# Allegro board Try it by yourself - iMX6Rex module - DIFF Pair activities.brd (continued)
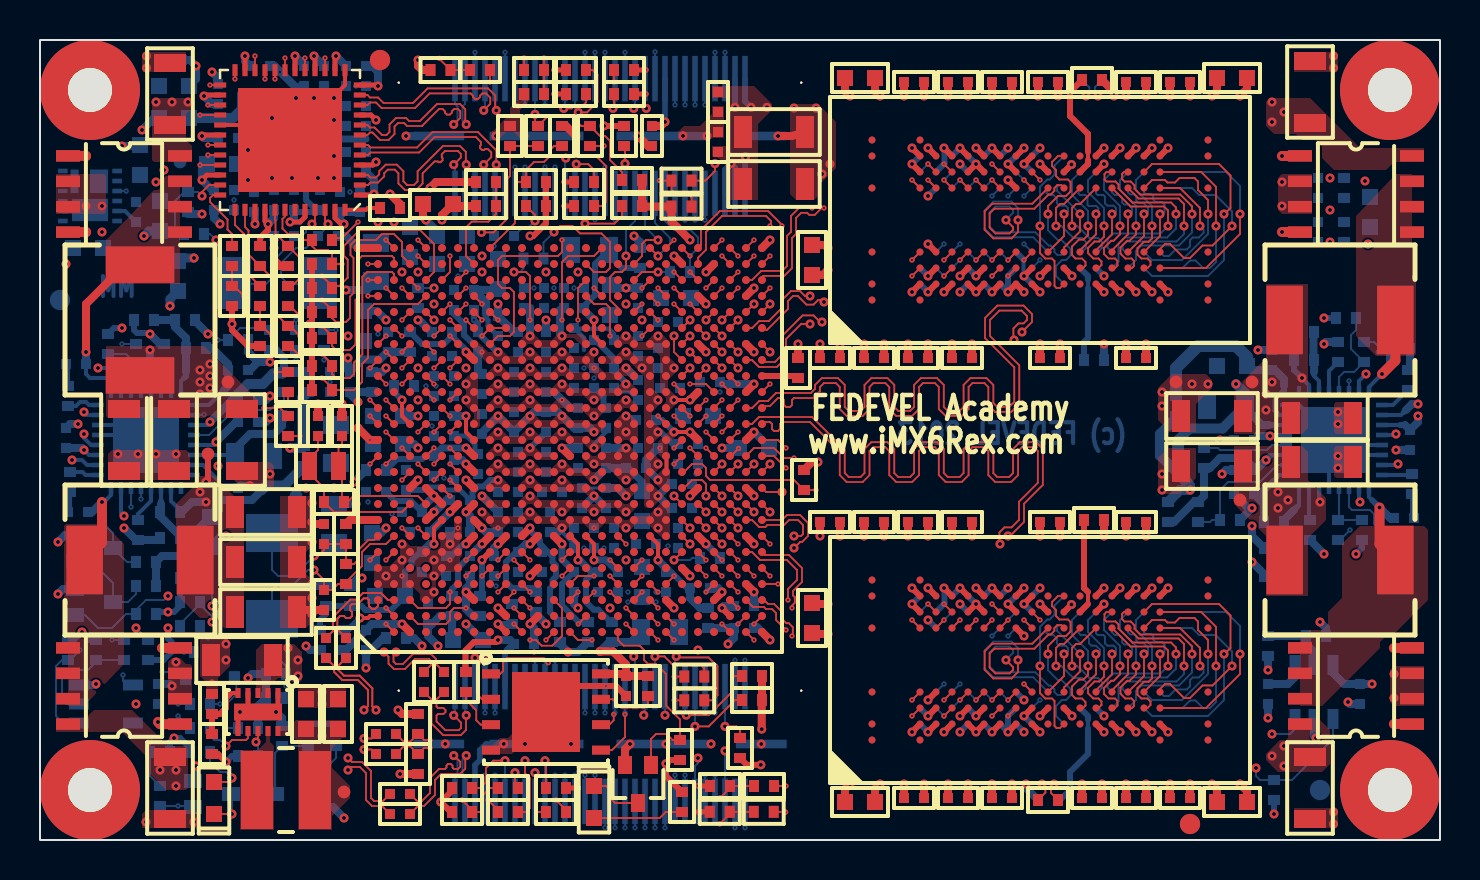
[diagram p0: board, top side]
## Nets (continued)
RGMII_TXD0: U1.C22 U8.19
RGMII_TXD1: U1.F20 U8.20
RGMII_TXD2: U1.E21 U8.21
RGMII_TXD3: U1.A24 U8.22
RGMII_TXEN: U1.C23 U8.25
RSTINN: J1.8 R68.1 U7.1
RSTOUTN: J1.7 R51.2 R70.2
RSTOUTN_R: R49.1 R51.1 U1.H19
RTC_XTALI: C85.1 R54.1 U1.D9 Y2.1
RTC_XTALO: C86.1 R54.2 U1.C9 Y2.2
SATA_C_RX_N: C69.1 U1.A14
SATA_C_RX_P: C70.1 U1.B14
SATA_C_TX_N: C71.1 U1.B12
SATA_C_TX_P: C72.1 U1.A12
SATA_REXT: R20.2 U1.C14
SATA_RX_N: C69.2 J2.58
SATA_RX_P: C70.2 J2.60
SATA_TX_N: C71.2 J2.57
SATA_TX_P: C72.2 J2.59
SD2_ACT: J2.11 U1.T3
SD2_CD: J2.38 R42.1 U1.F16
SD2_CLK: J2.36 R66.2
SD2_CLK_R: R66.1 U1.C21
SD2_CMD: J2.21 R41.1 R52.2
SD2_CMD_R: R52.1 U1.F19
SD2_DATA0: J2.26 U1.A22
SD2_DATA1: J2.23 U1.E20
SD2_DATA2: J2.28 U1.A23
SD2_DATA3: J2.25 U1.B22
SD2_DATA4: J2.30 U1.A19
SD2_DATA5: J2.27 U1.B18
SD2_DATA6: J2.32 U1.E17
SD2_DATA7: J2.29 U1.C18
SD2_WP: J2.34 R43.1 U1.D17
SD3_CD: J1.34 R39.1 U1.A18
SD3_CLK: J1.27 R50.2
SD3_CLK_R: R50.1 U1.D14
SD3_CMD: J1.33 R1.2 R38.1
SD3_CMD_R: R1.1 U1.B13
SD3_DATA0: J1.29 U1.E14
SD3_DATA1: J1.30 U1.F14
SD3_DATA2: J1.31 U1.A15
SD3_DATA3: J1.32 U1.B15
SD3_WP: J1.25 R40.1 U1.C17
SENSE_1V5: R59.1 R67.2 U6.5
SW_3V0_SNVS: L3.1 U12.9
SW_EP: U9.3 U9.4 U9.5 U9.6 U9.14
TAMPER: R55.1 U1.E11
TEST_MODE: R56.2 U1.E12
TRD0_N: J1.57 U8.3
TRD0_P: J1.59 U8.2
TRD1_N: J1.51 U8.6
TRD1_P: J1.53 U8.5
TRD2_N: J1.58 U8.8
TRD2_P: J1.60 U8.7
TRD3_N: J1.52 U8.11
TRD3_P: J1.54 U8.10
UART1_CTS: J1.11 U1.G21
UART1_DCD: J1.16 U1.D25
UART1_DSR: J1.9 U1.G22
UART1_DTR: J1.15 U1.F22
UART1_RI: J1.10 U1.F23
UART1_RTS: J1.13 U1.G20
UART1_RXD: J1.14 U1.M3
UART1_TXD: J1.12 U1.M1
UART2_CTS: J2.31 U1.B20
UART2_RTS: J2.33 U1.C19
UART2_RXD: J2.35 U1.E18
UART2_TXD: J2.37 U1.D19
UGATE1_2V5: Q6.1 U13.15
UGATE1_3V3: Q3.1 U11.15
UGATE2_1V5: Q7.1 U13.26
UGATE2_1V375: Q4.1 U11.26
USB0_ID: J1.20 U1.T4
USB0_N: J1.22 U1.B6
USB0_P: J1.24 U1.A6
USB0_PWR_EN: J1.26 U1.E23
USB1_N: J2.40 U1.F10
USB1_P: J2.42 U1.E10
USB1_PWR_EN: J2.44 U1.H21
USB_OC: J1.28 R100.1 U1.H20 U1.J20
USER_LED: Q2.1 R115.1 U1.T1
WD_OUT: R71.1 U1.R22
WD_OUT_R: R69.1 R71.2 U7.2
ZQPAD: R10.1 U1.AE17

Pads without a net: FID1 1; FID2 1; FID3 1; FID4 1; J1 49 65 66; J2 65 66; U1 A9 A10 A11 A16 A20 A21 AA1 AA2 AA3 AA4 AA11 AB1 AB2 AB17 AD17 B8 B9 B10 B11 B16 B17 B19 B21 C5 C8 C13 C15 C16 C20 C25 D1 D2 D4 D5 D13 D15 D18 D20 E1 E2 E3 E4 E13 E16 E19 E22 E24 E25 F1 F2 F3 F4 F13 F15 F17 F24 F25 G1 G2 G4 G23 G25 H1 H2 H3 H4 H22 H23 H24 J19 J21 J22 J23 J24 J25 K20 K21 K22 K23 K24 K25 L1 L3 L4 L6 L20 L21 L22 L23 L24 L25 M2 M4 M5 M6 M20 M21 M22 M23 M24 M25 N2 N19 N20 N21 N22 N23 N24 N25 P1 P4 P5 P6 P20 P21 P25 R1 R2 R3 R4 R5 R6 R7 R20 R21 R23 R24 T2 T6 T20 T22 T23 T24 T25 U6 U7 U20 U22 U25 V5 V6 V24 W5 W6 W20 W21 W23 W24 Y1 Y2 Y3 Y4; U2 J1 J9 L1 L9 MECH01 MECH02 MECH03 MECH04 MECH05 MECH06 MECH07 MECH08 MECH09 MECH10 MECH11 MECH12 MECH13 MECH14 MECH15 MECH16; U3 J1 J9 L1 L9 MECH01 MECH02 MECH03 MECH04 MECH05 MECH06 MECH07 MECH08 MECH09 MECH10 MECH11 MECH12 MECH13 MECH14 MECH15 MECH16; U4 J1 J9 L1 L9 MECH01 MECH02 MECH03 MECH04 MECH05 MECH06 MECH07 MECH08 MECH09 MECH10 MECH11 MECH12 MECH13 MECH14 MECH15 MECH16; U5 J1 J9 L1 L9 MECH01 MECH02 MECH03 MECH04 MECH05 MECH06 MECH07 MECH08 MECH09 MECH10 MECH11 MECH12 MECH13 MECH14 MECH15 MECH16; U8 43; U11 9; U13 9

## Via types
v1: diameter 0.45, hole 0.2, TOP to BOTTOM, 761 vias
v2: diameter 0.27, hole 0.1, TOP to L2, 305 vias
v3: diameter 0.27, hole 0.1, L2 to L3, 290 vias
v4: diameter 0.45, hole 0.2, L3 to L10, 197 vias
v5: diameter 0.27, hole 0.1, L10 to L11, 142 vias
v6: diameter 0.27, hole 0.1, L11 to BOTTOM, 185 vias

## Routing (per net, layer and track width the routed paths; a pad name or vN(x,y) marks a point on that pad's centre or on a via; arc(x,y) is an arc through that point)
+1V1_NVCC_PLL_OUT: length 10.5
  TOP w0.2: v1(19.7,14.8) 19.7,15.6 U1.E8
  BOTTOM w0.3: 19.05,14.35 C150.1 19,14.4 18.57,13.98 18.57,13.74 18.25,13.41 C151.1 17.55,11.5 16.27,11.5 16.07,11.7 R105.1 R79.2 14.3,11.3 14,11 R77.2
  BOTTOM w0.4: C150.1 19.5,14.8 v1(19.7,14.8)
+1V1_VDDSOC_CAP: length 11.6
  TOP w0.4: v1(26.1,19.6) U1.N12
  BOTTOM w0.15: C116.1 C115.1 ; C113.1 28.9,22.4 29.47,22.4 29.87,22 C114.1
  BOTTOM w0.4: v1(26.1,19.6) C138.1 ; FB1.1 20.6,10.05 R13.1 20,11.2 19.6,10.8 C78.1 19.4,10.2 v1(19.9,9.7) ; C115.1 U1.T10 v1(29.3,17.2) ; R18.1 C246.1 15.5,22.3 v1(15.9,21.9) ; v1(25.3,10.8) 24.8,11.3 R23.1
  vias: v1(29.3,21.2) v1(29.3,20.4)
+1V2_ETH: length 6.2
  BOTTOM w0.4: R105.2 15.9,13.1 v1(16.1,13.1) ; 10.25,36.75 10.8,36.2 10.8,35.8 11.1,35.5 FB5.1
  BOTTOM w0.5: FB4.1 10.25,36.7 9.65,36.1 FB3.1 7.35,36.1
  vias: v1(5.8,32.9) v1(6.2,33.5)
+1V2_ETH_AVDDL: length 7.5
  TOP w0.25: U8.9 16.55,36.25 v1(16.8,36) ; v1(16.8,33.9) 16.65,33.75 U8.4
  BOTTOM w0.3: C186.1 13.95,35.4 14.3,35.05
  BOTTOM w0.35: 16.3,35.05 14.3,35.05
  BOTTOM w0.4: FB4.2 12.35,36.4 13.5,36.4 13.9,36 13.9,35.4
+1V2_ETH_AVDDL_PLL: length 8.1
  TOP w0.25: v1(12.5,30.9) 13,30.9 13.25,31.15 U8.44
  BOTTOM w0.3: C192.1 14,31.4 13.9,31.4 ; 13.9,31.4 13.3,32 13.3,33.07 12.37,34 C191.1 ; 13.9,31.4 12.7,31.4
  BOTTOM w0.4: 12.45,33.9 12.35,33.9 ; 12.35,33.9 C191.1 ; 12.35,33.9 11.3,33.9 FB5.2 ; v1(12.5,30.9) 12.7,31.1 C193.1
+1V2_ETH_DVDDL: length 12.3
  TOP w0.25: v1(14.8,39.2) 14.75,39.15 U8.14 ; U8.23 v1(10.25,39.2) ; U8.18 v1(12.75,39.2) ; U8.30 8.25,35.25 8.1,35.1 v1(8.1,35.2) ; U8.26 8.2,37.25 v1(8.2,37.2) ; v1(10.75,30.8) U8.39
  BOTTOM w0.4: v1(12.75,39.2) 13.2,38.75 C248.1 ; v1(5.1,35.5) 5.7,36.1 FB3.2 ; v1(14.8,39.2) C185.1 ; v1(10.75,30.8) 10.75,31.35 C182.1 ; C183.1 8.2,35.1 v1(8.1,35.2) ; C184.1 8.6,36.8 v1(8.2,37.2) ; v1(10.25,39.2) 10.25,38.95 C249.1 ; 7.35,37.6 C180.1 7.8,38.05 v1(7.8,38.7) 7.5,39 C181.1
+1V2_VDD_ARM_CAP: length 7.2
  BOTTOM w0.2: C97.1 28.3,20.4 27.7,19.8 v1(27.7,19.6)
  BOTTOM w0.25: C103.1 21.75,19.45 21.75,19.79 21.34,20.2 C98.1
  BOTTOM w0.35: C102.1 29.41,18.6 30.1,17.91 C106.1
  BOTTOM w0.4: C102.1 C105.1 v1(27.7,18) ; v1(18.9,19.6) 18.7,19.8 C101.1
  vias: v1(22.9,20.4) v1(22.9,18.8) v1(24.5,20.4) v1(24.5,18.8) v1(26.1,20.4) v1(26.1,18.8)
+1V5_DDR: length 82.2
  TOP w0.3: v1(48.4,33) U4.G7 ; U4.K8 v1(51.57,33.77) ; U2.N9 v1(54,12.6) ; v1(43.6,5.4) U2.A1 ; v1(46,12.6) U2.D9 ; v1(44.4,6.2) U2.B2 ; v1(49.2,33.8) U4.H9 ; U4.K2 v1(51.6,28.2) ; v1(49.2,6.2) U2.H2 ; U4.R1 v1(55.6,27.4) ; U2.G7 v1(49.2,10.2) ; U2.R9 v1(55.6,12.6) ; U4.A8 v1(43.6,33.8) ; U2.K2 v1(51.6,6.2) ; v1(49.2,28.2) U4.H2 ; v1(47.6,27.4) U4.F1 ; v1(46,6.2) U2.D2 ; v1(43.6,11.8) U2.A8 ; U4.N9 v1(54,34.6) ; v1(46.8,34.6) U4.E9 ; v1(46,28.2) U4.D2 ; v1(45.2,5.4) U2.C1 ; U2.K8 v1(51.57,11.77) ; v1(45.2,34.6) U4.C9 ; v1(43.6,27.4) U4.A1 ; U2.R1 v1(55.6,5.4) ; v1(49.2,11.8) U2.H9 ; U4.R9 v1(55.6,34.6) ; U2.N1 v1(54,5.4) ; v1(44.4,28.2) U4.B2 ; v1(46,34.6) U4.D9 ; v1(45.2,27.4) U4.C1 ; v1(46.8,12.6) U2.E9 ; v1(47.6,5.4) U2.F1 ; v1(45.2,12.6) U2.C9 ; U4.N1 v1(54,27.4)
  TOP w0.4: C32.1 v1(54.3,24.8) ; C14.1 41.75,2.55 v1(42,2.8) ; C30.1 v1(54.3,2.8) ; C39.1 v1(40,24.8) ; C13.1 58.85,2.55 v1(58.6,2.8) ; v1(39.4,28.5) 39.15,28.25 C17.1 ; v1(46.6,15.2) C23.1 ; v1(44.4,15.2) C25.1 ; v1(54.3,37.2) C38.1 ; C12.1 38.65,11.8 v1(39.4,11.8) ; v1(56.5,37.2) C35.1 ; v1(40,15.2) C26.1 ; C31.1 v1(44.4,24.8) ; C28.1 v1(46.4,2.8) ; C33.1 v1(46.6,24.8) ; C27.1 v1(43.2,2.8) ; v1(44.2,37.2) C36.1 ; C29.1 v1(48.6,2.8) ; C21.1 v1(56.5,2.8) ; v1(42.2,15.2) C24.1 ; v1(46.4,37.2) C37.1 ; C15.1 41.75,37.45 v1(42,37.2) ; C16.1 58.85,37.45 v1(58.6,37.2) ; C40.1 v1(42.2,24.8) ; v1(48.6,37.2) C34.1 ; v1(54.3,15.2) C22.1
  BOTTOM w0.2: v1(49.2,28.2) 49.17,28.22 49.17,29.03 49.15,29.05 ; U13.30 63.95,16.95 v1(64,16.9)
  BOTTOM w0.3: U3.E9 v1(47.6,5.4) ; U2.N1 v1(54,5.4) ; U3.A8 v1(44.4,6.2) ; U4.C9 v1(46,34.6) ; v1(45.2,27.4) U4.C1 ; U4.R1 v1(55.6,27.4) ; v1(43.6,33.8) U5.A1 ; U5.B2 45.22,33.83 45.22,34.57 v1(45.2,34.6) ; U5.A8 v1(44.4,28.2) ; v1(30.9,20.4) 31.03,20.4 31.63,19.8 C170.1 ; U4.N1 v1(54,27.4) ; U2.K2 v1(51.6,6.2) ; U4.R9 v1(55.6,34.6) ; U2.K8 v1(51.57,11.77) ; U3.F1 v1(48.4,12.6) ; U4.K2 v1(51.6,28.2) ; v1(49.2,33.8) U5.H2 ; v1(46,11.8) U3.D2 ; v1(46,5.4) U3.D9 ; v1(46,27.4) U5.D9 ; U2.C9 v1(46,12.6) ; U3.B2 45.22,11.83 45.22,12.58 v1(45.2,12.6) ; v1(46,33.8) U5.D2 ; U2.N9 v1(54,12.6) ; v1(45.2,5.4) U2.C1 ; 49.15,29.05 U5.G7 ; U4.K8 v1(51.57,33.77) ; U5.F1 v1(48.4,34.6) ; U3.G7 v1(49.2,7) ; v1(49.2,6.2) U3.H9 ; U5.E9 v1(47.6,27.4) ; U4.N9 v1(54,34.6) ; v1(43.6,11.8) U3.A1 ; v1(49.2,11.8) U3.H2 ; U5.H9 v1(49.2,28.2) ; U2.R1 v1(55.6,5.4) ; U2.R9 v1(55.6,12.6)
  BOTTOM w0.4: v1(54.3,37.2) C38.1 ; v1(34.1,19.6) C172.1 ; C31.1 v1(44.4,24.8) ; C40.1 v1(42.2,24.8) ; v1(40,15.2) C26.1 ; v1(46.4,37.2) C37.1 ; C27.1 v1(43.2,2.8) ; C29.1 v1(48.6,2.8) ; v1(54.3,15.2) C22.1 ; v1(42.2,15.2) C24.1 ; v1(44.4,15.2) C25.1 ; v1(44.2,37.2) C36.1 ; C21.1 v1(56.5,2.8) ; C33.1 v1(46.6,24.8) ; v1(61.4,8.5) R59.2 ; C32.1 v1(54.3,24.8) ; C39.1 v1(40,24.8) ; v1(56.5,37.2) C35.1 ; v1(46.6,15.2) C23.1 ; C158.1 31.5,16.6 v1(30.9,17.2) 31.5,17.8 C162.1 ; v1(48.6,37.2) C34.1 ; C28.1 v1(46.4,2.8) ; C30.1 v1(54.3,2.8)
  vias: v1(29.3,24.4) v1(30.1,26) v1(30.1,23.6) v1(30.9,22) v1(30.9,18.8) v1(61.9,17.4) v1(61.9,16.6) v1(62.4,17) v1(64.5,33.1) v1(66.25,32.95)
+1V375: length 15.1
  L3 w0.4: v1(5.5,24.5) 7.1,22.9 v1(8,22.9)
  BOTTOM w0.2: U11.30 6.05,22.95 5.9,23.1
  BOTTOM w0.3: 5.9,23.1 5.5,23.5 5.5,23.6
  BOTTOM w0.4: R77.1 13.5,9.5 v1(13.3,9.7) ; v1(27.7,20.4) 27.5,20.6 C95.1 26.7,20.6 v1(26.1,21.2) 25.9,21.4 C94.1 24.7,21.4 v1(24.5,21.2) C93.1 v1(22.9,21.2) 22.9,21.18 22.1,20.38 C92.1 ; C111.1 v1(18.9,21.2) ; 5.5,23.6 v1(5.5,24.5)
  BOTTOM w0.45: v1(5.2,30.2) 5.45,30.45 FB8.2
  vias: v1(8,23.5) v1(8,22.3) v1(8.5,23.8) v1(8.5,23.2) v1(8.5,22.6) v1(16.9,30.9) v1(17.7,30.9) v1(24.5,17.2) v1(26.1,16.4) v1(27.7,16.4) v1(29.3,16.4)
+1V375_VDDSOC_IN: length 8
  BOTTOM w0.3: C122.1 21.9,24.55 21.2,25.25 21.2,25.8 20.7,26.3 C125.1 ; C119.1 27.77,25 28.7,24.07 C121.1 28.7,23.45 29.3,22.85 v1(29.3,22.8)
  BOTTOM w0.4: C126.1 21.9,23.5 C122.1 ; C128.1 16.85,26.45 v1(17.3,26)
  vias: v1(18.1,28.4) v1(18.9,28.4) v1(22.9,22.8) v1(24.5,22.8) v1(26.1,22.8) v1(27.7,22) v1(29.3,26.8)
+2V5: length 15
  BOTTOM w0.2: U13.10 63.45,22.75 v1(63.1,23.1)
  BOTTOM w0.3: 17.4,10 17.3,10 R14.1 ; v1(63.1,23.1) 62.7,23.5 R147.2
  BOTTOM w0.4: v1(15.7,17.9) R19.1 ; R74.2 30,29.9 v1(29.7,30.2) ; v1(34.4,9.8) 34.7,10.1 C245.1 R34.1 ; v1(16.3,8.6) C244.1 16.56,9.5 17.16,10.1 R14.1 ; R80.2 C153.1 17.36,24.4 16.98,24.02 16.12,24.02 C247.1 15.4,23.5 v1(15.4,24.1) ; R27.1 26.9,9.4 v1(26.4,9.4) 26,9.8 R78.2
  BOTTOM w0.45: v1(6.5,26.7) 6.5,27.05 FB6.1
  vias: v1(61.3,22.3) v1(61.3,21.5) v1(61.6,22.9)
+2V5_ETH_DVDDH: length 19.3
  TOP w0.25: v1(13.7,39.2) 13.75,39.15 U8.16 ; v1(11.4,30.8) 11.25,30.95 U8.40 ; v1(8.1,33) 8.35,33.25 U8.34
  TOP w0.3: R89.2 11,30.1 11.4,30.5 v1(11.4,30.8) ; 13.6,25.8 R96.2 13.6,24.5 v1(13.5,24.4) 13.6,24.4 R97.2 R91.2 ; 13.6,25.8 v1(13.5,25.8) ; 13.6,25.8 R98.2 R95.2 R75.2 13.6,28.9 ; R87.2 v1(9.6,25.8) 9.6,25.5 10.4,24.7 R162.2
  TOP w0.4: R94.2 19.1,38.5 18.9,38.7 v1(18.9,39)
  BOTTOM w0.4: C198.1 11.7,31.1 v1(11.4,30.8) ; C197.1 8.65,32.45 v1(8.1,33) 8.1,33.55 C194.1 ; v1(13.7,39.2) C196.1 ; C195.1 8.7,31.1 v1(9,30.8)
  BOTTOM w0.45: v1(7.7,29.1) 7.05,29.1 FB6.2
+2V5_VDDHIGH_VPH: length 6.7
  BOTTOM w0.25: 19.33,17.5 19.48,17.65 19.92,17.65 20.07,17.5 21,17.5 C139.2
  BOTTOM w0.3: C140.1 19.33,17.5 ; C139.2 21.62,17.13 21.62,17.4 21.9,17.68 22.17,17.68 22.5,18 v1(22.9,18) ; 14.75,16.8 14.7,16.85
  BOTTOM w0.4: C141.1 14.75,16.8 v1(15.8,16.8)
+3V0_ALWAYS: length 16.6
  TOP w0.3: v1(9.3,3.9) 8.9,4.3 R138.2
  TOP w0.4: v1(21.3,18.8) U1.G11
  TOP w0.7: L3.2 13.85,2.4
  BOTTOM w0.3: v1(4.1,25.6) 3.7,25.6 R130.2 ; R106.2 9.6,4.2 v1(9.3,3.9) ; R48.2 6.17,9 6.57,9.4 6.57,9.9 6.4,10.08 v1(6.4,10.6) ; R55.2 R103.2 7,11.7 6.7,11.4 v1(6.4,11.4) 5.9,11.4 R73.2 ; R165.2 14.7,5.8 v1(14.1,5.8) 13.5,5.8 R104.2 ; v1(64.2,26.1) R153.2 ; v1(61.7,1.3) R60.2 ; R154.2 66.1,14.6 v1(65.8,14.3)
  BOTTOM w0.4: 14.7,18.75 C137.1 ; v1(21.3,18.8) 21.1,19 C142.1 ; v1(22.1,17.2) C136.1 ; v1(66.6,7.8) C87.1 65.2,7.8 64.65,8.35 U6.6
  vias: v1(14.1,5.2) v1(14.7,17.6)
+3V3: length 67.8
  TOP w0.2: v1(27.7,14) 27.7,14.8 U1.P7
  TOP w0.25: R31.2 32.9,2.7 v2(32.89,2.71) ; v2(25.7,37.3) R29.2 ; R100.2 v2(30.3,37.3) ; v2(26.2,31.7) R44.2 ; v2(32.9,1.4) 32.91,1.41 R32.2 ; R39.2 v2(30.3,38.5) ; v2(26.2,32.9) R45.2 ; v2(25.7,38.5) R28.2 ; R62.2 v2(26.9,2.6)
  TOP w0.3: R33.2 35.34,3.76 v1(36.04,3.76) ; R40.2 28.2,35.7 v1(28.2,35.71) ; R137.2 R21.2 25.3,30.83 24.67,30.2 v1(24.5,30.2) ; TP6.1 8.4,18 v1(8.3,17.9) ; R114.2 31.3,3.2 v1(31.3,3.82) 31.48,4 R115.2 ; R63.2 20.54,1.4 v1(20.04,1.9) 20.6,2.46 R64.2 ; v1(22.9,10) 22.8,9.9 21.7,9.9 21.27,9.48 21.27,8.43 R110.2
  TOP w0.4: R22.2 R38.2 30.13,31.67 R49.2 31.57,30.93 v1(32.5,30) ; C203.1 29.19,8.31 U10.8 ; C203.1 29.3,8.78 28.65,9.43 v1(28,9.43) ; C203.1 R109.1 ; v1(36.09,5.54) 36.09,6.99 R46.2 R47.2 ; v1(22.9,14.8) U1.J7 ; v1(20.1,31) 20.1,31.25 FB7.1 20.75,31.7 R111.2
  L2 w0.25: v3(26.6,2.3) v2(26.9,2.6) ; v2(32.9,1.4) v3(33.2,1.7) ; v3(30.3,38.1) v2(30.3,38.5) ; v3(32.89,2.31) v2(32.89,2.71) ; v2(26.2,32.9) v3(26.5,32.6) ; v2(30.3,37.3) v3(30.6,37.6) ; v2(26.2,31.7) v3(26.5,32) ; v3(25.7,38.1) v2(25.7,38.5) ; v3(25.4,37.6) v2(25.7,37.3)
  L3 w0.2: 29.87,37.95 29.9,37.92
  L3 w0.25: v3(25.4,37.6) 25.3,37.7 v4(25.3,38) 25.4,38.1 v3(25.7,38.1) ; v3(26.5,32.6) 26.3,32.6 v4(26,32.3) 26.3,32 v3(26.5,32) ; v4(27.1,2.4) 27,2.3 v3(26.6,2.3) ; v3(33.2,1.7) 33.48,1.7 v4(33.6,1.82) 33.6,2.02 33.31,2.31 v3(32.89,2.31) ; v3(30.6,37.6) 30.19,37.6 29.89,37.9 v4(29.87,37.9) 30.07,38.1 v3(30.3,38.1)
  BOTTOM w0.2: 7,16.5 6.55,16.95 U11.10 ; 7,16.5 7.1,16.4 ; 7,16.5 R123.2
  BOTTOM w0.28: 23.4,9.5 23.25,9.35 J2.50
  BOTTOM w0.3: R68.2 1.7,10 v1(2.1,10.4) 2.5,10 R69.2 ; R129.2 6.5,4.9 v1(6.7,5.1) 7,5.1 7.5,4.6 R113.2
  BOTTOM w0.35: C163.1 28.3,14 v1(27.7,14)
  BOTTOM w0.4: v1(15.3,27.5) 16.35,27.5 C148.1 ; v1(10.4,8.1) 10.6,8.3 R43.2 R42.2 10.9,6.7 R41.2 ; C147.1 29.55,9.9 R76.2 28.47,9.9 v1(28,9.43) ; C174.1 22.7,14.6 v1(22.9,14.8) ; v1(8.3,16.9) 7.6,16.9 7.1,16.4 ; v1(22.9,10) 23.5,10 C1.1 23.4,9.5 ; C144.1 26,26.5 26,25.3 v1(26.1,25.2) ; v1(24.5,25.2) 24.5,26.6 C166.1
  vias: v1(1.3,28.8) v1(4.8,6.8) v1(8,17.4) v1(21.3,22.8) v1(21.3,22)
+3V3_ETH_AVDDH: length 9.1
  TOP w0.2: 19.15,31.7 19.05,31.8
  TOP w0.25: v1(16.9,37.7) 16.9,37.75 ; 16.9,37.75 16.95,37.75 ; 16.9,37.75 U8.12 ; U8.47 14.75,31.1 15.05,30.8 v1(15.2,30.8) ; U8.1 16.65,32.25 v1(16.7,32.3)
  TOP w0.4: v1(19.3,31) 19.15,31.15 FB7.2
  BOTTOM w0.4: v1(15.2,30.8) 15,31 C202.1 C190.1 ; v1(16.9,37.7) 16.9,38.4 16.6,38.7 C201.1 ; v1(19.3,31) 19.85,30.45 C199.1 ; v1(16.7,32.3) 16.7,33 C200.1
+5V_LDO1: length 13.8
  BOTTOM w0.2: U11.7 8.15,18.75 8.9,18 C205.1
  BOTTOM w0.4: 8.9,17.08 8.97,17 10.6,17 11.1,17.5 ; R131.2 R132.2 6.1,14.2 7.3,14.2 7.6,14.5 7.6,15.25 C204.1
  BOTTOM w0.5: 11.1,17.5 11.32,17.73 12.22,17.73 R116.2 ; C205.1 8.9,16.55 C204.1
+5V_LDO2: length 10.6
  BOTTOM w0.2: 62.02,22.3 61.72,22 61.72,21.48 61.95,21.25 U13.7
  BOTTOM w0.3: 62.02,22.3 62.2,22.48 62.2,22.7
  BOTTOM w0.4: 62.2,22.7 62.2,23.04 61.74,23.5 C224.1 60.55,23.5 C223.1
  BOTTOM w0.6: C223.1 60.35,24.15 59.8,24.7 57.9,24.7 56.8,23.6 R140.2
+5V_PVCC1: length 16.1
  L3 w0.5: v1(2.2,19.5) 3.19,19.5 3.56,19.87 7.85,19.87 8.4,19.33 10.2,19.33 10.47,19.6 v1(12.5,19.6)
  BOTTOM w0.2: U11.19 2.45,19.25 v1(2.2,19.5)
  BOTTOM w0.4: C206.1 2.1,19.6 v1(2.2,19.5)
  BOTTOM w0.5: R118.1 13.1,22.1 R117.2 13.1,19.8 R116.1 13.1,19.6 v1(12.5,19.6)
+5V_PVCC2: length 23.1
  L3 w0.5: v1(57.5,17.5) 59.7,17.5 60.4,18.2 60.4,19 61,19.6 64.16,19.6 64.54,19.98 65.87,19.98 67.1,21.2 v1(68.9,21.2)
  BOTTOM w0.2: 56.85,21.05 56.9,21.1 R140.1 ; 68,20.75 U13.19
  BOTTOM w0.3: 68.25,20.75 68,20.75
  BOTTOM w0.4: v1(68.9,21.2) 68.9,20.9 C225.1 68.25,20.75
  BOTTOM w0.5: 57.5,17.71 56,19.21 56,20.3 56.8,21.1 R140.1 ; 57.5,17.71 R141.2 ; 57.5,17.71 v1(57.5,17.5) 57,17.5 R142.1
+5V_USB_VBUS: length 7.4
  TOP w0.4: C242.1 31.04,35.7 v1(31.25,35.91) ; U1.D10 v1(19.7,17.2) U1.E9
  BOTTOM w0.2: 31.25,35.81 v1(31.25,35.91)
  BOTTOM w0.28: v1(31.25,35.91) J1.18
  BOTTOM w0.3: C82.1 17.75,16.95 18.55,16.95 C79.1
  BOTTOM w0.4: v1(19.7,17.2) 19.1,16.6 C79.1
+5V_VCC1: length 16.5
  L3 w0.5: v1(8.5,20.9) 8,21.4 3.8,21.4 2.7,20.3 v1(2.2,20.3)
  BOTTOM w0.2: v1(8.5,20.9) 8.35,20.75 U11.3 ; v1(2.2,20.3) 2.2,20.1 2.55,19.75 U11.20
  BOTTOM w0.4: v1(8.5,20.9) 9.6,22 C207.1 ; R128.2 11.8,24.5 12.2,24.1 R127.2
  BOTTOM w0.5: R118.2 R127.2 12.12,23.33 11.67,23.33 11.14,22.8 10.4,22.8 9.9,22.3 C207.1
+5V_VCC2: length 17.3
  L3 w0.5: v1(67.8,20.3) 67.79,20.31 65.49,18 62.3,18 v1(61.3,19)
  BOTTOM w0.2: 61.5,19.2 61.55,19.25 U13.3 ; U13.20 67.75,20.25 v1(67.8,20.3)
  BOTTOM w0.3: 61.5,19.2 v1(61.3,19)
  BOTTOM w0.4: v1(61.3,19) 60.8,18.5 C226.1 60.7,18.6 60.2,19.1 59,19.1 58.5,18.6 R151.2 58.2,17.2 R152.2 57.7,16.9 56.7,15.9 R142.2
+VDD_SNVS_CAP: length 1.6
  TOP w0.4: v1(21.3,16.4) U1.G9
  BOTTOM w0.4: C143.1 21.5,16.2 v1(21.3,16.4)
+VDDPU: length 4.5
  BOTTOM w0.25: 22.3,26.3 22.3,26.1 22.4,26 22.4,25.7 C131.1
  BOTTOM w0.3: 22.9,25.1 22.8,25.2 C131.1 ; 22.15,27.05 22.2,27 ; 23,27.55 22.95,27.5 22.85,27.5
  BOTTOM w0.4: C135.1 22.85,27.5 C132.1 22.3,26.9 22.3,26.3
  vias: v1(22.9,23.6) v1(24.5,23.6) v1(26.1,23.6)
+VDDUSB: length 2.8
  TOP w0.4: v1(20.5,16.4) U1.F9
  BOTTOM w0.4: v1(17.3,15.6) 17.05,15.35 C80.1 ; C81.1 v1(20.5,16.4)
+VIN: length 22.2
  BOTTOM w0.2: 56.9,19.7 56.8,19.6 ; 61.65,20.75 U13.6 ; C208.1 9.7,19.25 U11.6
  BOTTOM w0.28: J1.2 35.25,36.93 v1(35.55,36.63) ; J1.4 v1(34.75,36.63) ; v1(35.27,34.16) 35.25,34.13 J1.1 ; J1.5 34.25,33.52 v1(34.55,33.82) 34.75,33.62 J1.3
  BOTTOM w0.3: 61.45,20.75 61.65,20.75
  BOTTOM w0.4: C227.1 60.25,21.6 61.1,20.75 61.45,20.75 ; C208.1 9.75,19.55 10.5,20.3 11.7,20.3 12.1,20.7 R117.1
  BOTTOM w0.5: R141.1 56.9,20 57.47,20.58 59.12,20.58 60.2,21.65 C227.1 60.25,22.35 v1(59.8,22.8)
  vias: v1(5.8,36.9) v1(6,3.5) v1(6.6,36.9) v1(6.8,3.5) v1(6.8,2.7) v1(7.4,36.9) v1(8.9,18.7) v1(12.4,9.6) v1(12.9,9) v1(12.9,8.2) v1(36.35,36.63) v1(61.6,36.9) v1(61.6,35.9) v1(61.6,4.2) v1(62.2,36.4) v1(62.2,4.7) v1(62.2,3.7)
GND: length 261.3
  TOP w0.2: U8.13 15.25,37.75 14.65,37.15 ; U1.W12 31.32,19.18 31.32,18.43 U1.W11 ; v1(32.5,20.4) v1(31.7,20.4) ; 14.65,37.15 U8.49 10.2,35.75 U8.29 ; 14.65,37.15 v1(14.7,37.1) ; v1(31.7,22) v1(32.5,22)
  TOP w0.25: 9.9,5.35 U12.6 9.9,6.3 v1(10,6.4) ; U12.1 11.9,6.4 v1(11.8,6.4) U12.11 10.4,6.4 ; 10.4,6.2 10.4,6.4 ; 10.4,6.4 U12.4
  TOP w0.3: v1(44.4,29.8) U4.B3 ; v1(44.4,5.4) U2.B1 ; v1(49.2,34.6) U4.G9 ; v1(43.6,12.6) U2.A9 ; U2.P1 v1(54.8,5.4) ; U4.T9 v1(56.4,34.6) ; U4.D1 v1(46.8,27.4) U4.E1 ; U2.D1 v1(46.8,5.4) U2.E1 ; v1(50,6.2) U2.J2 ; v1(48.4,33.8) U4.G8 ; U2.T9 v1(56.4,12.6) ; U10.9 26.6,7.7 v2(28.3,7.7) v2(28.8,7.7) C203.2 ; U4.T1 v1(56.4,27.4) ; v1(48.4,5.4) U2.G1 ; U4.E8 v1(46.8,33.8) U4.D8 ; v1(48.4,27.4) U4.G1 v1(49.2,27.4) ; v1(46.8,28.2) U4.E2 ; v1(44.4,12.6) U2.B9 ; v1(44.4,7) U2.B3 ; U2.D8 v1(46.8,11.8) U2.E8 ; v1(43.6,34.6) U4.A9 ; v1(46.8,6.2) U2.E2 ; U4.M9 v1(53.2,34.6) ; v1(44.4,34.6) U4.B9 ; v1(50,33.8) U4.J8 ; v1(50,11.8) U2.J8 ; U4.M1 v1(53.2,27.4) ; v1(44.4,27.4) U4.B1 ; U2.M9 v1(53.2,12.6) ; v1(47.6,12.6) U2.F9 ; v1(50,28.2) U4.J2 ; U4.P9 v1(54.8,34.6) ; v1(48.4,11.8) U2.G8 ; U4.P1 v1(54.8,27.4) ; v1(49.2,12.6) U2.G9 ; U2.M1 v1(53.2,5.4) ; v1(47.6,34.6) U4.F9 ; U2.T1 v1(56.4,5.4) ; U2.P9 v1(54.8,12.6)
  TOP w0.4: U1.AD19 v1(35.7,24.4) ; U1.AE25 v1(36.5,30) ; v1(45.6,15.2) C23.2 ; v1(13.6,15.9) 13.7,15.8 C83.2 ; v1(36.9,35.2) 37.6,35.2 C2.2 ; C32.2 v1(55.3,24.8) ; v1(11.7,29.6) 11.7,29 12,28.7 R99.1 ; U1.AD4 v1(35.7,12.4) ; v1(45.4,37.2) C37.2 ; U1.AD16 v1(35.7,22.8) ; C85.2 v1(15.1,21.8) ; 13.6,11.5 v1(13.6,11.3) ; 13.6,11.5 13.2,11.5 C215.2 ; 13.6,11.5 C84.2 ; v1(43.2,37.2) C36.2 ; v1(24.5,10.8) U1.L2 ; v1(29.9,35.2) 30.4,34.7 C242.2 ; C30.2 v1(55.3,2.8) ; v1(55.3,15.2) C22.2 ; R10.2 v1(37.9,24.8) ; v1(41.2,15.2) C24.2 ; v1(32.5,22) U1.AA16 ; v1(53.2,15.2) R4.1 ; v1(31.7,29.2) U1.Y24 ; v1(49.9,37.2) C8.2 ; v1(21.3,12.4) U1.G3 ; v1(15.9,29.6) U1.A25 ; v1(26.8,35.2) 26.3,35.7 R144.1 ; U1.AA13 v1(32.5,20.4) ; v1(39.4,10.3) 38.65,10.3 C12.2 ; U1.AD22 v1(35.7,27.6) ; v1(18.1,10.8) U1.C1 ; v1(50,15.2) C3.2 ; v1(18,3.3) R17.1 ; C16.2 60.35,37.55 v1(60,37.2) ; v1(17.9,6.5) 18.1,6.3 R16.1 ; v1(32.5,17.2) U1.AA10 ; v1(29.5,4.8) 29.25,4.55 Q2.2 ; C4.2 v1(52.1,2.8) ; R37.2 15.5,16 v1(15.9,16) U1.A8 ; U1.A13 v2(16.5,20) v1(15.9,20.6) ; C86.2 v1(13.9,21.8) ; v1(22.9,11.6) U1.J2 ; R8.1 53.7,37.4 v1(53.7,37.2) ; U1.Y5 v1(32.5,13.2) ; R6.1 38.6,18.9 v1(38.9,18.9) ; v1(47.6,37.2) C34.2 ; C15.2 40.25,37.45 v1(40.5,37.2) ; v1(40.5,2.8) 40.25,2.55 C14.2 ; U1.AD10 v1(35.7,17.2) ; v1(57.5,37.2) C35.2 ; v1(24.5,13.2) U1.L5 ; C28.2 v1(45.4,2.8) ; v1(43.4,15.2) C25.2 ; C21.2 v1(57.5,2.8) ; v1(19.5,32.6) 19.8,32.9 v2(21.3,32.9) R143.1 ; v1(60,2.8) 60.35,2.45 C13.2 ; C17.2 39.25,29.75 v1(39.4,29.6) ; U1.AA22 v1(33.3,26.8) ; U1.C10 v1(18.9,18) ; C31.2 v1(43.4,24.8) ; C39.2 v1(39,24.8) ; U1.AD7 v1(35.7,14.8) ; v1(21.3,18) U1.G10 ; C29.2 v1(47.6,2.8) ; U1.D8 v1(19.7,16.4) ; U1.AB3 v1(34.1,12.4) ; C27.2 v1(44.2,2.8) ; U1.AE1 v1(36.5,10) ; R84.2 18,31.8 v1(17.5,32.3) ; U1.AD13 v1(35.7,20.4) ; U1.W3 v1(31.7,11.6) ; U1.AA7 v1(33.3,14.8) ; C33.2 v1(45.6,24.8) ; C40.2 v1(41.2,24.8) ; U1.AA19 v1(33.3,24.4) ; C9.2 v1(50,24.8) ; v1(39,15.2) C26.2 ; v1(55.3,37.2) C38.2 ; v1(33.3,28.4) U1.AB24
  BOTTOM w0.2: U13.22 65.45,19.25 64.95,19.75 ; U11.29 5.55,20.25 U11.33 ; U13.8 62.95,21.75 U13.33 ; U11.8 7.05,18.25 U11.33 ; U11.33 5.05,20.25 ; 64.95,19.75 U13.21 ; 64.95,19.75 U13.33 ; 5.05,20.25 4.55,20.75 U11.22 ; 5.05,20.25 U11.21 ; U13.33 64.45,19.75 U13.29 ; C107.2 26.7,14.8 26.1,15.4 v1(26.1,15.6)
  BOTTOM w0.22: 27.2,24.5 27.2,25.1 26.73,25.57 ; U9.2 2.45,31.45 U9.13 ; 26.73,25.57 v6(27.2,25.57) 28.43,25.57 28.7,25.3 C119.2 ; 26.73,25.57 C130.2
  BOTTOM w0.28: J2.63 22.3,4.8 21.99,4.49 21.99,3.99 21.75,3.75 v6(21.75,3.24) J2.55 ; J2.56 v1(21.75,9.11)
  BOTTOM w0.3: U5.F9 v1(48.4,27.4) 48.4,28.2 U5.G8 ; U2.T1 v1(56.4,5.4) ; U2.B1 v1(44.4,5.4) U3.A9 ; v1(49.2,27.4) U4.G1 ; U4.T1 v1(56.4,27.4) ; v1(44.4,34.6) U4.B9 ; v1(22.9,24.4) 22.85,24.4 21.9,25.35 C122.2 21.9,25.8 v6(21.7,26) C125.2 ; U5.A9 v1(44.4,27.4) U4.B1 ; v1(46.8,11.8) U2.E8 U3.D1 ; U5.D1 v1(46.8,33.8) U4.E8 ; v1(44.4,12.6) U2.B9 ; U2.M9 v1(53.2,12.6) ; C97.2 28.17,21.73 28.17,22.2 27.77,22.6 C113.2 ; v1(24.5,19.6) C94.2 ; v1(44.4,32.2) U5.B3 ; U4.M9 v1(53.2,34.6) ; U4.P1 v1(54.8,27.4) ; v1(50,6.2) U2.J2 ; v1(48.4,11.8) U2.G9 ; U2.E2 v1(46.8,6.2) U3.D8 ; U5.D8 v1(46.8,28.2) U4.E2 ; U2.M1 v1(53.2,5.4) ; U3.F9 v1(48.4,5.4) 48.4,6.2 U3.G8 ; U4.P9 v1(54.8,34.6) ; U2.P9 v1(54.8,12.6) ; U2.P1 v1(54.8,5.4) ; U4.M1 v1(53.2,27.4) ; v1(48.4,33.8) U4.G9 ; v1(44.4,11) U3.B3 ; v1(50,11.8) U2.J8 ; U3.E1 v1(47.6,12.6) ; v1(50,28.2) U4.J2 ; U5.E1 v1(47.6,34.6) ; v1(50,33.8) U4.J8 ; U2.G1 v1(49.2,5.4) ; U2.T9 v1(56.4,12.6) ; v1(31.7,20.4) 31.1,21 C117.2 ; R136.1 4.7,25.5 4.85,25.35 5.45,25.35 v1(5.5,25.3) ; U4.T9 v1(56.4,34.6)
  BOTTOM w0.35: v1(33.3,14.8) R7.1
  BOTTOM w0.4: v1(4.2,15.6) 4.8,15 R125.1 5.9,15 R126.1 ; v1(0.9,14.9) 1.25,15.25 Q5.2 ; C89.2 6.5,7.8 v1(6.6,7.7) ; 12.45,35.4 C186.2 12.3,35.4 v1(11.6,36.1) ; Q8.2 1.15,12.55 v1(0.9,12.3) ; v1(64.2,24.8) 64.3,24.9 R149.1 ; v1(45.4,37.2) C37.2 ; C9.2 v1(50,24.8) ; v1(35.7,22.8) 34.1,22.8 C171.2 ; R9.1 v1(53.2,24.8) ; v1(7.8,3.7) 7.8,3 7.75,2.95 Q1.2 ; v1(43.2,37.2) C36.2 ; v1(18.9,26) 18.96,26 19.56,25.4 C152.2 ; R158.1 61.2,13.3 v1(60.6,13.9) ; v1(45.6,15.2) C23.2 ; C134.2 23.7,25.4 v6(23.4,25.7) C131.2 v1(22.9,26.8) ; C105.2 v1(29.3,19.6) ; v1(10.5,17.71) 10.01,17.71 C205.2 ; C28.2 v1(45.4,2.8) ; v1(29.3,23.6) C114.2 ; C160.2 v1(29.3,27.6) 28.65,27.6 C129.2 ; v1(15.2,1.1) 14.65,1.65 v6(14.3,1.65) Q9.2 ; C206.2 1.5,20.8 v1(1.9,20.8) ; v1(26.1,15.6) 25.9,15.4 C90.2 ; R5.1 49.3,2.6 v1(49.3,2.8) ; 62.5,25.4 C224.2 v1(60.9,24.5) ; 62.5,25.4 R150.1 ; 62.5,25.4 v6(62.2,25.1) ; R101.1 7.4,31.3 v1(8.1,31.3) ; v1(11.7,29.6) C176.2 ; C7.2 v1(35.7,12.4) ; v1(9.3,15.2) 9.05,15.2 C204.2 ; C245.2 35.9,10.6 v1(36.5,10) ; R124.2 6,24.8 v1(5.5,25.3) ; C95.2 U1.N15 v6(26.1,22) 25.7,22.4 C124.2 ; C1.2 24.7,10.6 v1(24.5,10.8) ; v6(12,38.4) 11.73,38.7 ; 11.73,38.7 C249.2 ; 11.73,38.7 12.8,37.63 ; C31.2 v1(43.4,24.8) ; C172.2 36.45,19.65 v1(35.7,20.4) ; v6(10.5,24.3) 10.4,24.4 ; 10.4,24.4 10.9,23.9 ; 10.4,24.4 R133.1 ; C33.2 v1(45.6,24.8) ; C207.2 11.3,22 v1(11.5,22.2) ; C175.2 15.3,30.2 v1(15.9,29.6) 16.15,29.85 C148.2 ; v1(19.7,16.4) 19.74,16.4 20.34,17 C139.1 ; C184.2 8.9,38.1 v1(8.6,38.4) ; C87.2 65.5,6.8 v1(65.4,6.9) ; v1(18.1,10.8) 16.6,10.8 C244.2 v6(15.8,10) 15.3,9.5 R15.1 ; U6.2 63.7,5.2 v1(63.8,5.1) ; U7.3 2.75,7.75 v1(2.8,7.8) ; v1(57.5,37.2) C35.2 ; C112.2 v6(30.4,19.1) 30.3,19 C102.2 v1(30.9,18) ; C61.2 21.5,12.77 21.3,12.57 v1(21.3,12.4) v6(21.3,11.54) 21.64,11.2 R61.1 ; C243.2 33.9,12.6 v1(34.1,12.4) ; C27.2 v1(44.2,2.8) ; R148.2 v1(64.2,14.3) ; 10.9,23.9 10.5,23.5 C219.2 ; 10.9,23.9 v1(11.5,23.9) ; C248.2 12.8,37.63 ; 12.8,37.63 v1(12.8,37.1) ; v1(61.4,6.1) C88.2 ; C39.2 v1(39,24.8) ; C218.2 11.3,20.9 v1(11.5,21.1) ; C133.2 v1(25.3,26) ; v1(20.5,14.8) C143.2 ; C115.2 v1(27.7,17.2) C116.2 ; C4.2 v1(52.1,2.8) ; v1(41.2,15.2) C24.2 ; v1(67.8,19.5) C225.2 ; C30.2 v1(55.3,2.8) ; v1(59.1,18.3) 59.3,18.5 C226.2 ; v1(55.3,37.2) C38.2 ; v1(49.9,37.2) C8.2 ; C76.2 26.7,11.8 v1(26.9,11.6) ; C32.2 v1(55.3,24.8) ; v1(39,15.2) C26.2 ; R58.1 12.1,6.1 v1(11.8,6.4) ; v1(59,20) C237.2 ; C178.2 4.95,34.7 v1(4.1,34.7) ; C40.2 v1(41.2,24.8) ; v1(50,15.2) C3.2 ; v1(64,10.9) 64.3,10.6 R67.1 ; C29.2 v1(47.6,2.8) ; v1(43.4,15.2) C25.2 ; v1(47.6,37.2) C34.2 ; R155.1 v1(60.6,16.6) 60.4,16.6 C238.2 ; v1(13.6,12.8) 13.7,12.7 R79.1 ; v1(55.3,15.2) C22.2 ; v1(18.3,35.2) J1.64 ; C21.2 v1(57.5,2.8)
  vias: v1(2.3,31.7) v1(3.1,31.7) v1(3.1,30.4) v1(3.9,19.3) v1(4.9,19.3) v1(5.32,39.2) v1(5.32,38.6) v1(5.3,0.9) v1(5.8,19.3) v1(6.8,19.3) v1(6.8,8.9) v1(7.7,0.9) v1(9.3,9.8) v1(9.3,9) v1(10.4,34.5) v1(10.4,33) v1(11.5,18.3) v1(11.6,33.1) v1(12.6,33.1) v1(13.6,16.85) v1(13.6,14.9) v1(13.6,12.1) v1(13.7,37.1) v1(13.9,33.1) v1(14.1,7.4) v1(14.1,6.8) v1(14.7,36) v1(14.7,34.2) v1(14.7,33.1) v1(15.4,25.2) v1(17.3,13.2) v1(18.1,14.8) v1(18.1,14) v1(18.9,23.6) v1(18.9,22) v1(19.7,26.8) v1(19.7,14) v1(19.7,13.2) v1(19.7,12.4) v1(20.26,4.81) v1(21.3,23.6) v1(22.1,29.2) v1(22.1,28.4) v1(22.1,16.4) v1(22.8,35.2) v1(22.9,22) v1(22.9,19.6) v1(23.19,4.81) v1(24.2,35.2) v1(24.25,4.81) v1(24.5,24.4) v1(24.5,22) v1(24.5,18) v1(24.5,16.4) v1(25.3,28.4) v1(26.1,24.4) v1(26.1,18) v1(26.55,4.81) v1(26.9,28.4) v1(27.7,24.4) v1(27.7,21.2) v1(27.7,18.8) v1(28.5,11.6) v1(29.3,25.2) v1(29.3,22) v1(29.3,18) v1(29.3,15.6) v1(29.3,14) v1(30.9,25.2) v1(30.9,16.4) v1(30.9,15.6) v1(31.3,4.8) v1(31.7,23.6) v1(32.15,35.21) v1(32.9,9.5) v1(33.35,35.21) v1(33.55,4.81) v1(36.06,4.8) v1(37.7,36.6) v1(38.8,36.6) v1(39.1,33.3) v1(39.5,33.8) v1(56.1,22.4) v1(56.1,21.7) v1(56.1,18.3) v1(56.1,17.5) v1(57.6,22.8) v1(58.4,22.8) v1(62.1,32.9) v1(62.1,31.7) v1(64.5,29.9) v1(64.67,39.2) v1(64.67,38.6) v1(64.67,1.4) v1(64.67,0.8) v1(64.9,21.4) v1(64.9,20.8) v1(64.9,19.2) v1(64.9,18.6) v1(66.4,29.8) v1(67.7,8.3) v1(67.7,7.1) v2(8.6,7.9) v2(18.1,13.2) v2(20.5,14) v2(20.9,15.6) v2(22.1,24.4) v2(22.9,15.6) v2(23.9,36.7) v2(27.7,23.6) v2(27.7,15.6) v2(31,19.6) v6(8.4,10.1) v6(9.7,32) v6(14.5,22.9) v6(15.5,32.4) v6(15.8,37.7) v6(16.4,16.9) v6(16.9,25.3) v6(17.6,16.3) v6(19.3,22.7) v6(19.6,20.7) v6(19.8,22.7) v6(20.2,18.1) v6(20.9,28.2) v6(22.7,29.7) v6(22.8,12.7) v6(24.7,27.6) v6(25.7,27.6) v6(26.7,27.6) v6(27.2,23.6) v6(27.2,14.6) v6(27.7,23.1) v6(28.2,14.6) v6(29.4,12.4) v6(29.4,11.9) v6(30.8,12.4) v6(30.8,11.9) v6(31.4,14.7) v6(32.1,26.4) v6(32.8,18.3) v6(32.9,19.3) v6(34,22.4)
